# Altium PCB Dahlia Carrier Board.PcbDoc (part 9 of 10) (continued)
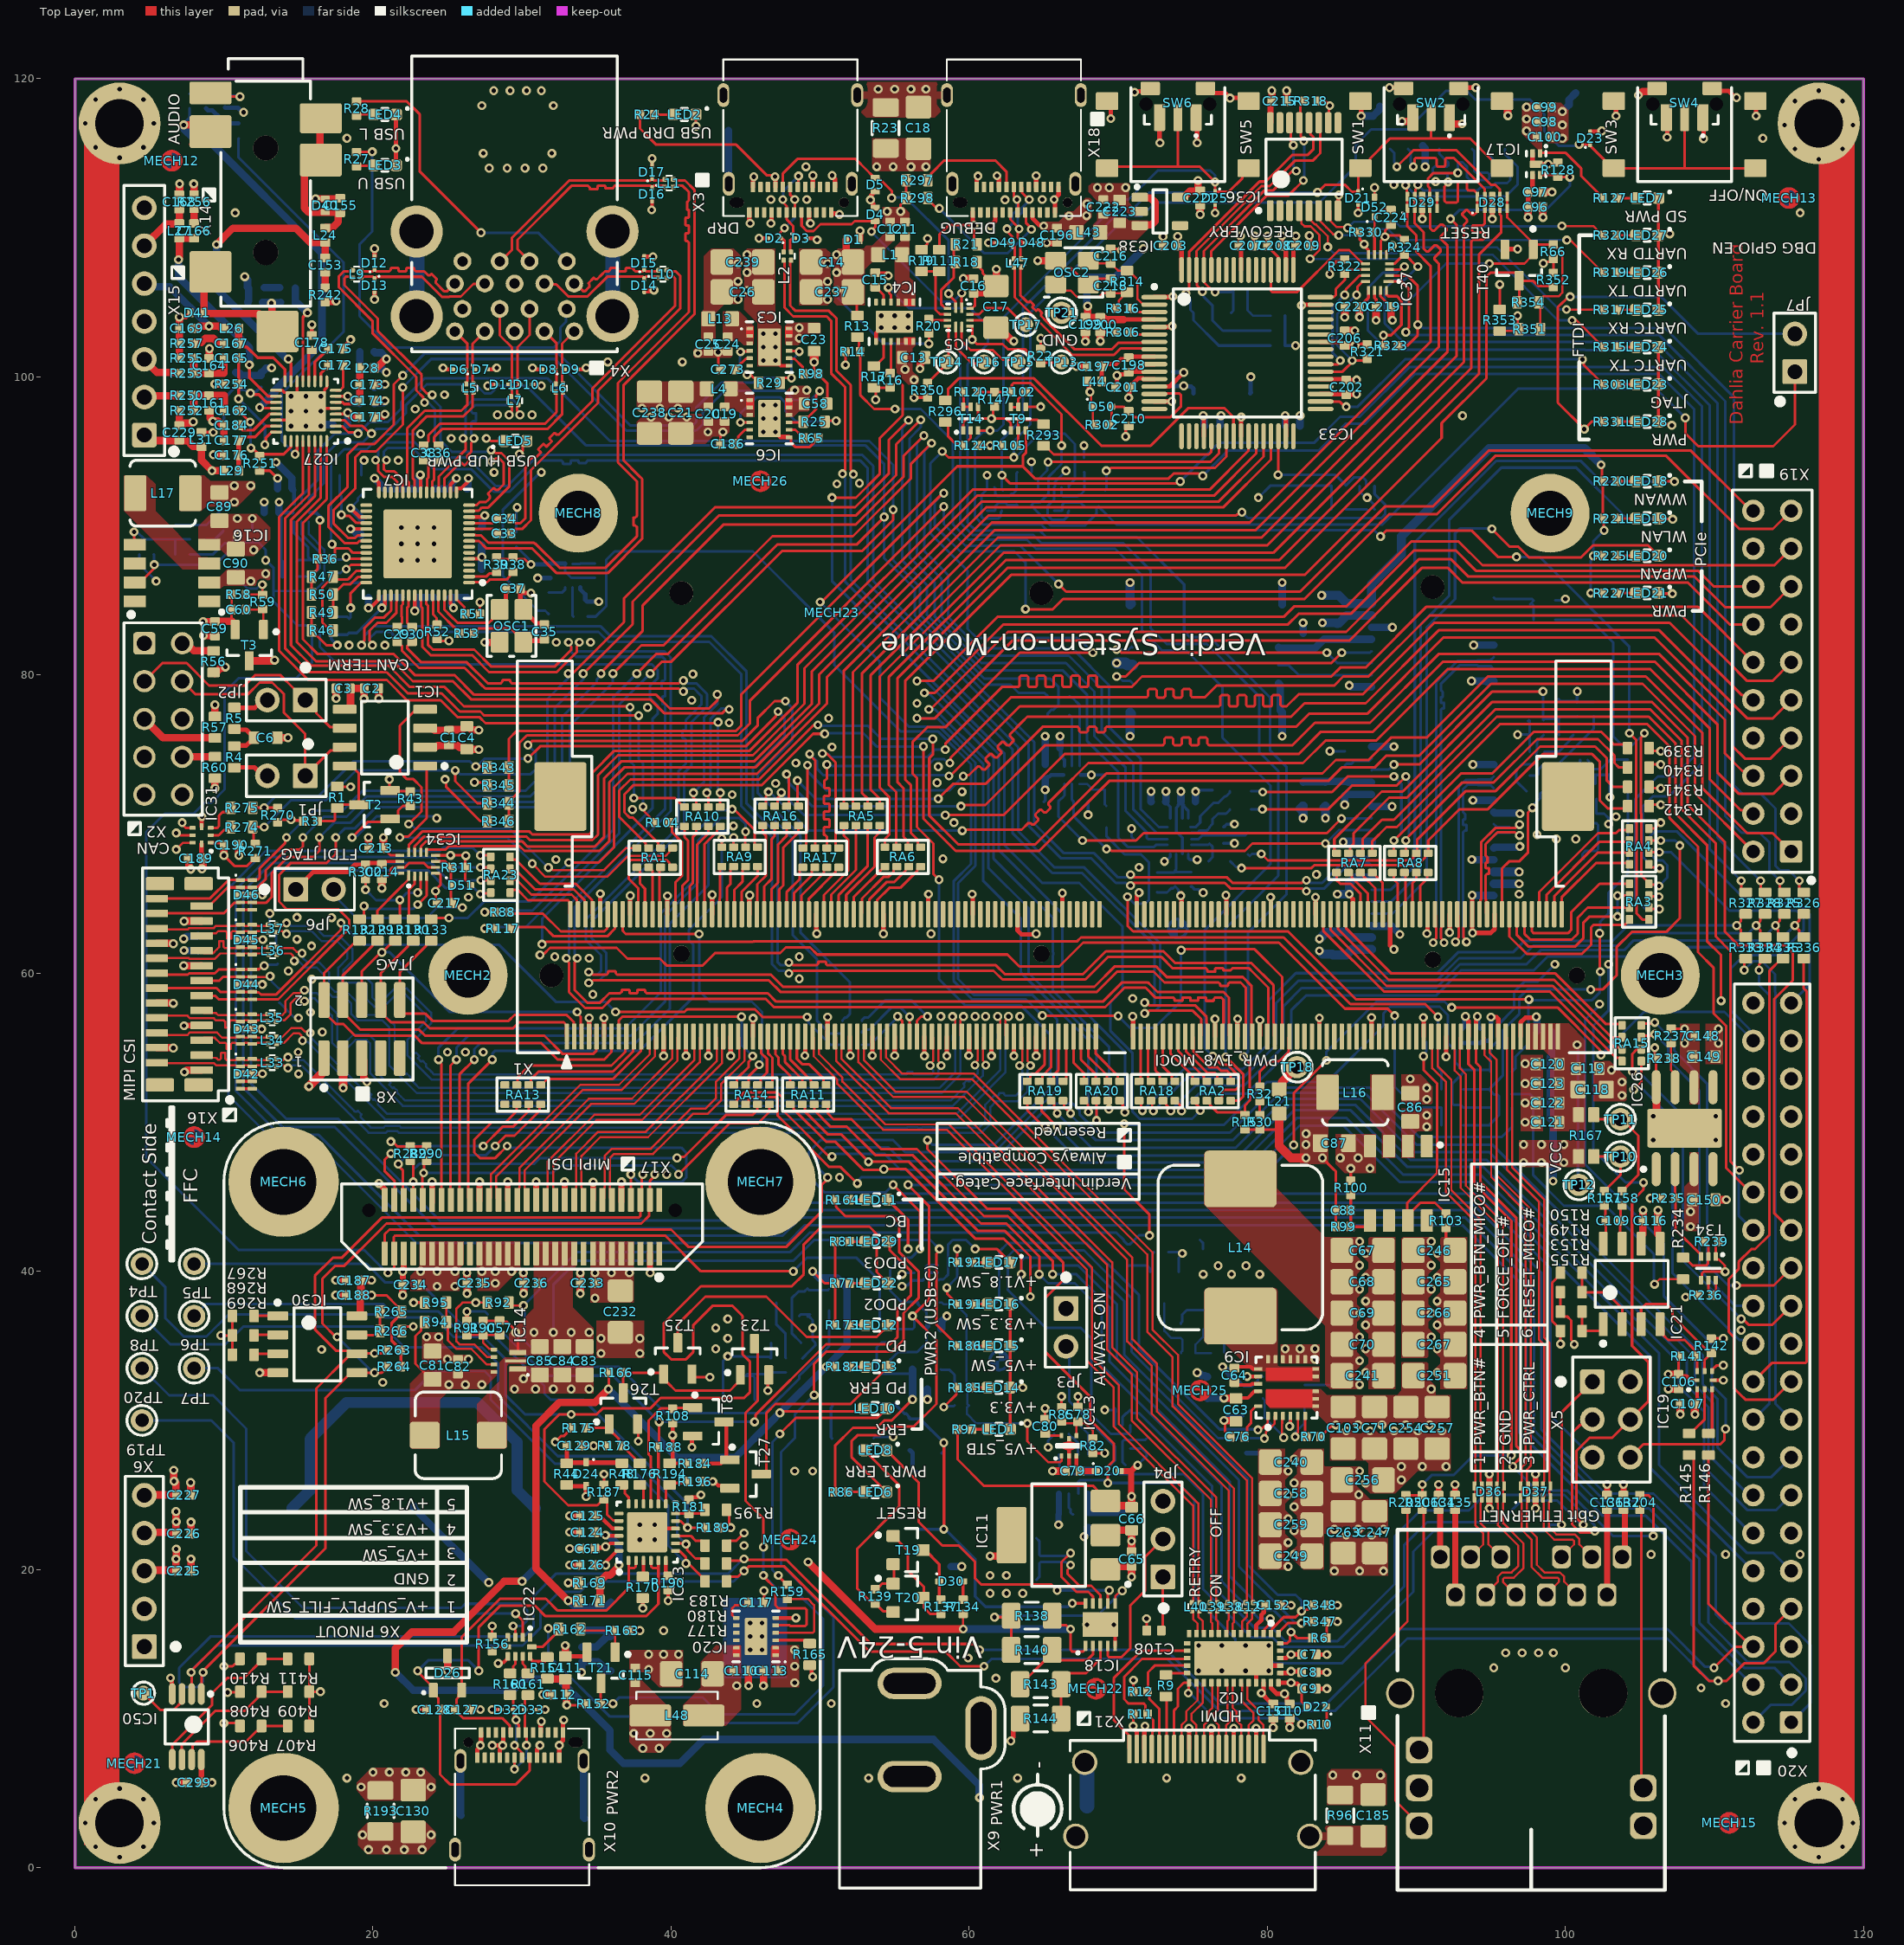
[diagram p0: Top Layer view]
## Nets (pads, with @x,y where several pads share a name; then routed paths per layer and width w, separated by ;. In a path a pad name is that pad's centre, name@x,y a point inside that pad or via, vN(x,y) a via of type N, cw(c..) or ccw(c..) an arc to the next point about the centre after c; other vN are vias at no path point) (continued)
  Bottom Layer w0.175: v2(62.539,109.93) 62.9,110.291 62.9,110.9 63.2,111.2 v2(63.2,111.9)
USB_DBG_N: IC33.7 L47.4 | length 13.3
  Top Layer w0.175: L47.4@63.5,107.475 63.437,107.413 63.437,107.29 63.428,107.28 63.428,105.489 63.683,105.233 63.891,105.026 64.036,105.026 64.075,105.065 64.102,105.065 64.34,104.826 64.34,104.8 64.242,104.701 64.242,104.675 64.48,104.436 64.507,104.436 64.609,104.538 64.635,104.538 64.874,104.3 64.874,104.273 64.831,104.23 64.831,104.085 65.158,103.758 67.077,101.839 69.567,101.839 70.011,102.282 71.599,102.282 71.666,102.35 IC33.7@72.425,102.35
USB_DBG_P: IC33.8 L47.3 | length 13.3
  Top Layer w0.175: L47.3@63,107.475 63.063,107.413 63.063,105.337 66.926,101.474 69.719,101.474 70.162,101.917 71.599,101.917 71.666,101.85 IC33.8@72.425,101.85
USBH1_PRT_DIS_M1: IC7.2 R39.1 | length 1.9
  Top Layer w0.175: IC7.2@26.45,86.6 27.6,86.6 27.8,86.8 28.28,86.8 R39.1@28.3,86.82
USBH1_PRT_DIS_P1: IC7.1 R38.1 | length 3.3
  Top Layer w0.175: IC7.1@26.45,86.2 26.745,86.2 26.783,86.237 27.665,86.237 27.825,86.397 28.952,86.397 29.178,86.623 29.178,86.723 29.275,86.82 R38.1@29.4,86.82
USBH2_D_CON_N: D16.1 L11.4 X4.L2 | length 14
  Top Layer w0.175: X4.L2@30.514,107.756 29.697,108.574 29.697,109.197 33.317,112.818 33.825,112.818 34.438,112.818 34.54,112.715 34.54,112.612 34.566,112.585 35.039,112.585 35.065,112.612 35.065,112.791 35.091,112.818 35.564,112.818 35.59,112.791 35.59,112.667 35.616,112.641 36.089,112.641 36.115,112.667 36.115,112.715 36.218,112.818 36.65,112.818 36.789,112.818 38.633,112.817 D16.1@38.725,112.725 ; D16.1@38.725,112.67 D16.1@38.725,112.725 ; L11.4@39.6,112.75 39.638,112.788 39.638,112.813 39.515,112.813 39.51,112.818 38.818,112.818 D16.1@38.725,112.725
USBH2_D_CON_P: D17.1 L11.3 X4.L3 | length 14.1
  Top Layer w0.175: X4.L3@28.5,107.756 28.556,107.756 29.332,108.532 29.332,109.348 33.166,113.183 36.65,113.183 37.154,113.183 38.633,113.182 D17.1@38.725,113.275 ; D17.1@38.725,113.33 D17.1@38.725,113.275 ; L11.3@39.6,113.25 39.6,113.225 39.638,113.187 39.515,113.187 39.51,113.183 38.818,113.183 D17.1@38.725,113.275
USBH2_D_N: IC7.9 L11.1 | length 41.1
  Top Layer w0.175: IC7.9@26.45,89.4 26.464,89.386 26.887,89.386 26.891,89.382 27.234,89.382 27.741,88.875 30.807,88.875 30.872,88.809 30.907,88.809 32.516,87.2 35.6,87.2 37.7,89.3 37.7,89.85 37.7,89.938 37.597,90.04 37.494,90.04 37.468,90.066 37.468,90.539 37.494,90.565 37.597,90.565 37.7,90.668 37.7,91.225 37.7,93 36.435,94.265 36.435,99.585 41.2,104.35 41.2,108.925 41.2,109.013 41.097,109.115 40.994,109.115 40.968,109.141 40.968,109.614 40.994,109.64 41.174,109.64 41.2,109.666 41.2,110.139 41.174,110.165 40.994,110.165 40.968,110.191 40.968,110.664 40.994,110.69 41.174,110.69 41.2,110.716 41.2,111.189 41.174,111.215 41.097,111.215 41.071,111.241 41.071,111.714 41.097,111.74 ; L11.1@40.15,112.75 40.212,112.813 40.335,112.813 40.34,112.818 40.782,112.818 41.2,112.4 41.2,112.088 41.2,111.843 41.097,111.74
USBH2_D_P: IC7.8 L11.2 | length 41.1
  Top Layer w0.175: IC7.8@26.45,89 26.462,88.987 27.113,88.987 27.59,88.51 30.656,88.51 32.331,86.835 35.751,86.835 38.065,89.149 38.065,89.85 38.065,91.225 38.065,93.151 37.851,93.365 36.8,94.416 36.8,99.434 41.565,104.199 41.565,112.551 40.934,113.183 40.34,113.183 40.335,113.187 40.212,113.187 L11.2@40.15,113.25
USBH2_OC#: IC3.4 R29.2 | length 3.5
  Top Layer w0.18: v1(44.657,101.675) 44.697,101.715 45.245,101.715 IC3.4@45.28,101.75 ; v1(45.1,100.15) 45.325,100.15 45.54,99.935 45.64,99.935 45.875,99.7 R29.2@45.875,99.6
  Bottom Layer w0.18: v1(44.657,101.675) 44.625,101.643 44.625,100.625 v1(45.1,100.15)
USBH2_PRT_CTL: IC3.9 IC7.35 R29.1 | length 50.2
  Top Layer w0.175: IC7.35@19.55,89 19.536,88.986 19.086,88.986 18.95,88.85 18.1,88.85 16.998,89.952 16.998,91.323 18.3,92.625 18.3,94.8 19,95.5 20.1,95.5 21.4,96.8 21.4,99.5 v1(22,100.1) ; R29.1@47.325,99.6 47.325,99.688 47.562,99.925 v1(48.075,99.925) ; IC3.9@47.92,101.75 48.65,101.75 v1(48.6,101.7)
  Bottom Layer w0.175: v1(22,100.1) 23.475,101.575 32.425,101.575 37.25,96.75 41.45,96.75 41.7,97 41.7,97.95 43.362,99.613 45.505,99.613 45.817,99.925 v1(48.075,99.925) 48.075,101.1 48.6,101.625 v1(48.6,101.7)
USBH2_SSRX_CON_N: D12.1 L9.4 X4.L5 | length 8.4
  Top Layer w0.175: L9.4@19.175,107.15 19.237,107.087 19.36,107.087 19.365,107.082 20.007,107.082 D12.1@20.1,107.175 ; D12.1@20.1,107.23 D12.1@20.1,107.175 ; 20.815,107.081 21,107.081 21.088,107.081 21.19,107.184 21.19,107.287 21.216,107.313 21.689,107.313 21.715,107.287 21.715,107.108 21.741,107.081 22.214,107.081 22.24,107.108 22.24,107.287 22.266,107.313 22.739,107.313 22.765,107.287 22.765,107.184 22.868,107.081 23.3,107.081 23.435,107.081 23.633,106.883 23.695,106.821 23.84,106.821 23.913,106.894 23.95,106.894 24.284,106.56 24.284,106.523 24.211,106.45 24.211,106.305 24.781,105.736 24.786,105.736 24.96,105.736 25.48,106.256 X4.L5@25.514,106.256 ; 20.9,107.082 20.488,107.082 20.193,107.082 D12.1@20.1,107.175
USBH2_SSRX_CON_P: D13.1 L9.3 X4.L6 | length 9.4
  Top Layer w0.175: L9.3@19.175,106.65 19.237,106.713 19.36,106.713 19.365,106.717 20.007,106.717 D13.1@20.1,106.625 ; D13.1@20.1,106.57 D13.1@20.1,106.625 ; X4.L6@27.514,106.256 27.5,106.242 26.742,106.242 25.9,105.4 25.14,105.4 25.111,105.371 24.629,105.371 23.284,106.716 20.24,106.716 20.186,106.662 20.137,106.662 D13.1@20.1,106.625
USBH2_SSRX_N: IC7.14 L9.1 | length 25.3
  Top Layer w0.175: L9.1@18.625,107.15 18.563,107.087 18.44,107.087 18.435,107.083 18.036,107.083 17.72,106.766 17.72,106.004 19.963,103.762 19.963,102.937 22.9,100 22.9,99.1 23.378,98.622 23.378,98.366 v2(23.46,98.285) ; IC7.14@26.45,91.4 26.462,91.388 26.944,91.388 27.156,91.6 27.584,91.6 27.733,91.749 27.795,91.811 ccw(c27.671,91.934) 27.795,92.058 27.757,92.096 cw(c27.818,92.157) 27.757,92.218 28.041,92.503 cw(c28.102,92.442) 28.163,92.503 28.201,92.465 ccw(c28.325,92.589) 28.449,92.465 28.656,92.673 28.775,92.791 28.775,94.225 28.475,94.525 28.237,94.525 28.045,94.333 v2(27.93,94.333)
  Bottom Layer w0.175: v2(23.46,98.285) 23.515,98.34 23.66,98.34 24.16,97.84 24.16,95.59 25.144,94.606 27.494,94.606 27.8,94.3 27.875,94.375 27.917,94.333 v2(27.93,94.333)
USBH2_SSRX_P: IC7.13 L9.2 | length 24.7
  Top Layer w0.175: L9.2@18.625,106.65 18.563,106.713 18.44,106.713 18.435,106.718 18.188,106.718 18.085,106.615 18.085,106.156 20.328,103.913 20.328,103.089 23.265,100.151 23.265,99.251 23.636,98.88 23.892,98.88 v2(23.974,98.799) ; IC7.13@26.45,91 26.464,91.014 26.887,91.014 26.896,91.023 27.095,91.023 27.307,91.235 27.735,91.235 29.14,92.64 29.14,93.14 29.14,94.376 28.626,94.89 28.237,94.89 28.045,95.083 v2(27.93,95.083)
  Bottom Layer w0.175: v2(23.974,98.799) 23.918,98.743 23.918,98.598 24.525,97.991 24.525,95.741 25.295,94.971 26.619,94.971 27.615,94.971 27.645,95.002 27.674,95.002 27.712,95.04 27.886,95.04 v2(27.93,95.083)
USBH2_SSTX_C_N: C34.2 IC7.11 | length 2
  Top Layer w0.175: IC7.11@26.45,90.2 26.464,90.186 26.887,90.186 26.891,90.182 28.032,90.182 28.31,90.46 C34.2@28.31,90.5
USBH2_SSTX_C_P: C33.2 IC7.10 | length 2
  Top Layer w0.175: IC7.10@26.45,89.8 26.464,89.814 26.887,89.814 26.891,89.817 28.033,89.817 28.31,89.54 C33.2@28.31,89.5
USBH2_SSTX_CON_N: D14.1 L10.4 X4.L8 | length 8.7
  Top Layer w0.175: X4.L8@31.514,106.256 31.561,106.209 32.291,106.209 33.106,105.394 34.394,105.394 35.718,106.718 38.107,106.718 D14.1@38.2,106.625 ; D14.1@38.2,106.57 D14.1@38.2,106.625 ; L10.4@39.175,106.65 39.113,106.713 38.99,106.713 38.985,106.718 38.588,106.718 38.293,106.718 D14.1@38.2,106.625
USBH2_SSTX_CON_P: D15.1 L10.3 X4.L9 | length 7.6
  Top Layer w0.175: X4.L9@33.514,106.256 33.594,106.256 34.091,105.759 34.242,105.759 34.467,105.983 34.529,106.045 34.529,106.19 34.456,106.263 34.456,106.3 34.79,106.634 34.827,106.634 34.9,106.561 35.045,106.561 35.342,106.858 35.566,107.083 35.725,107.083 35.813,107.083 35.915,107.185 35.915,107.288 35.941,107.315 36.414,107.315 36.44,107.288 36.44,107.109 36.466,107.083 36.939,107.083 36.965,107.109 36.965,107.288 36.991,107.315 37.464,107.315 37.49,107.288 37.49,107.185 37.593,107.083 37.9,107.083 38.108,107.083 D15.1@38.2,107.175 ; D15.1@38.2,107.23 D15.1@38.2,107.175 ; L10.3@39.175,107.15 39.113,107.087 38.99,107.087 38.985,107.083 38.739,107.083 38.292,107.083 D15.1@38.2,107.175
USBH2_SSTX_N: C34.1 L10.1 | length 23.3
  Top Layer w0.175: C34.1@29.29,90.5 29.29,90.46 29.567,90.182 29.886,90.182 30.235,90.532 30.235,93.901 30.242,93.908 30.458,94.124 30.458,94.269 30.423,94.303 30.423,94.34 30.757,94.675 30.794,94.675 30.883,94.586 30.92,94.586 31.254,94.92 31.254,94.957 31.092,95.12 31.092,95.157 31.426,95.491 31.463,95.491 31.625,95.329 31.662,95.329 31.997,95.663 31.997,95.7 31.834,95.862 31.834,95.899 32.168,96.233 32.205,96.233 32.314,96.125 32.459,96.125 32.892,96.558 34.735,98.401 34.735,99.235 40.265,104.765 40.265,106.615 40.162,106.718 39.915,106.718 39.91,106.713 39.787,106.713 L10.1@39.725,106.65
USBH2_SSTX_P: C33.1 L10.2 | length 23.3
  Top Layer w0.175: C33.1@29.29,89.5 29.29,89.54 29.567,89.817 30.037,89.817 30.6,90.38 30.6,93.75 33.15,96.3 35.1,98.25 35.1,99.084 40.63,104.614 40.63,106.766 40.314,107.083 39.915,107.083 39.91,107.087 39.787,107.087 L10.2@39.725,107.15
USBH3_D_CON_N: D10.1 L7.3 X4.U2 | length 6.4
  Top Layer w0.175: L7.3@29.75,98.675 29.687,98.737 29.687,98.86 29.682,98.865 29.682,99.36 D10.1@29.785,99.463 ; D10.1@29.88,99.5 29.825,99.5 29.697,99.628 29.697,101.997 30.514,102.814 X4.U2@30.514,104.556
USBH3_D_CON_P: D11.1 L7.4 X4.U3 | length 6.4
  Top Layer w0.175: X4.U3@28.514,104.556 28.514,102.786 29.332,101.968 29.332,99.7 29.317,99.686 29.317,99.64 29.215,99.538 29.157,99.538 D11.1@29.12,99.5 ; D11.1@29.215,99.463 29.317,99.36 29.317,98.865 29.313,98.86 29.313,98.737 L7.4@29.25,98.675
USBH3_D_N: IC7.18 L7.2 | length 12
  Top Layer w0.175: IC7.18@24.4,92.25 24.414,92.264 24.414,92.687 24.417,92.691 24.417,93.318 25.137,94.038 26.229,95.129 26.229,95.579 26.048,95.76 v2(26.048,95.875) ; L7.2@29.75,98.125 29.687,98.063 29.687,97.992 29.682,97.988 29.682,97.688 29.863,97.507 v2(29.863,97.45)
  Bottom Layer w0.175: v2(26.048,95.875) 26.048,95.99 26.229,96.171 26.229,97.995 26.711,98.477 28.503,98.477 28.505,98.48 29.366,98.48 29.683,98.164 29.683,97.746 29.863,97.565 v2(29.863,97.45)
USBH3_D_P: IC7.17 L7.1 | length 11.8
  Top Layer w0.175: IC7.17@24.8,92.25 24.786,92.264 24.786,92.687 24.782,92.691 24.782,93.166 25.396,93.779 25.829,94.213 25.974,94.213 26.117,94.069 26.155,94.069 26.489,94.403 26.489,94.44 26.345,94.584 26.345,94.729 26.433,94.817 26.594,94.978 26.594,95.579 26.775,95.76 v2(26.775,95.875) ; v2(29.137,97.45) 29.137,97.507 29.317,97.688 29.317,97.988 29.313,97.992 29.313,98.063 L7.1@29.25,98.125
  Bottom Layer w0.175: v2(26.775,95.875) 26.775,95.99 26.594,96.171 26.594,96.325 26.594,96.938 26.697,97.04 26.9,97.04 26.926,97.066 26.926,97.539 26.9,97.565 26.697,97.565 26.594,97.668 26.594,97.844 26.65,97.9 26.862,98.112 28.654,98.112 28.656,98.115 29.215,98.115 29.318,98.013 29.318,97.746 29.137,97.565 v2(29.137,97.45)
USBH3_OC#: IC6.4 R25.2 | length 9.9
  Top Layer w0.175: v1(44.65,96.95) IC6.4@45.28,96.95 ; R25.2@50.325,97 50.376,97.052 v1(51.073,97.052)
  Bottom Layer w0.175: v1(44.65,96.95) 44.65,97.55 45.737,98.638 47.312,98.638 47.675,98.275 47.675,97.7 48.375,97 51.022,97 v1(51.073,97.052)
USBH3_PRT_CTL: IC6.9 IC7.34 R25.1 | length 50.6
  Top Layer w0.175: IC7.34@19.514,89.386 19.208,89.386 19.197,89.375 18.975,89.375 18.806,89.206 18.319,89.206 17.35,90.175 17.35,91.05 18.8,92.5 18.8,94.6 19.2,95 20.2,95 22,96.8 v1(22,99.3) ; IC6.9@47.92,96.95 48.825,96.95 R25.1@48.875,97 48.875,97.1 49.112,97.338 49.237,97.338 49.437,97.538 49.725,97.825 49.725,98.743 49.96,98.979 v1(49.96,99.058)
  Bottom Layer w0.175: v1(22,99.3) 23.9,101.2 32.2,101.2 37,96.4 41.675,96.4 42.125,96.85 42.125,97.6 43.583,99.058 47.617,99.058 48.225,98.45 49.352,98.45 v1(49.96,99.058)
USBH3_SSRX_CON_N: D6.1 L5.4 X4.U5 | length 4
  Top Layer w0.175: X4.U5@25.514,103.056 26.325,102.245 26.325,101.605 26.325,100.6 D6.1@26.225,100.5 ; D6.1@26.17,100.5 D6.1@26.225,100.5 ; L5.4@26.25,99.525 26.313,99.587 26.313,99.71 26.318,99.715 26.318,100.112 26.318,100.407 D6.1@26.225,100.5
USBH3_SSRX_CON_P: D7.1 L5.3 X4.U6 | length 4
  Top Layer w0.175: L5.3@26.75,99.525 26.687,99.587 26.687,99.71 26.683,99.715 26.683,99.961 26.683,100.408 D7.1@26.775,100.5 ; D7.1@26.83,100.5 D7.1@26.775,100.5 ; X4.U6@27.514,103.056 26.69,102.232 26.69,101.454 26.69,100.585 D7.1@26.775,100.5
USBH3_SSRX_N: IC7.23 L5.1 | length 9.9
  Top Layer w0.175: IC7.23@22.4,92.25 22.414,92.264 22.414,92.687 22.417,92.691 22.417,92.939 22.295,93.061 22.295,96.547 23.474,97.725 25.925,97.725 26.318,98.118 26.318,98.785 26.313,98.79 26.313,98.913 L5.1@26.25,98.975
USBH3_SSRX_P: IC7.22 L5.2 | length 9.9
  Top Layer w0.175: IC7.22@22.8,92.25 22.786,92.264 22.786,92.687 22.782,92.691 22.782,93.09 22.66,93.212 22.66,96.396 23.625,97.36 26.076,97.36 26.683,97.966 26.683,98.785 26.687,98.79 26.687,98.913 L5.2@26.75,98.975
USBH3_SSTX_C_N: C38.2 IC7.20 | length 2.4
  Top Layer w0.175: C38.2@23.4,94.41 23.44,94.41 23.718,94.133 23.718,93.24 23.617,93.14 23.617,92.596 23.614,92.592 23.614,92.264 IC7.20@23.6,92.25
USBH3_SSTX_C_P: C36.2 IC7.19 | length 2.4
  Top Layer w0.175: IC7.19@24,92.25 23.986,92.264 23.986,92.592 23.982,92.596 23.982,92.989 24.083,93.089 24.083,94.133 24.36,94.41 C36.2@24.4,94.41
USBH3_SSTX_CON_N: D8.1 L6.4 X4.U8 | length 4
  Top Layer w0.175: X4.U8@31.514,103.056 32.325,102.245 32.325,101.605 32.325,100.6 D8.1@32.225,100.5 ; D8.1@32.17,100.5 D8.1@32.225,100.5 ; L6.4@32.25,99.525 32.313,99.587 32.313,99.71 32.318,99.715 32.318,100.407 D8.1@32.225,100.5
USBH3_SSTX_CON_P: D9.1 L6.3 X4.U9 | length 4
  Top Layer w0.175: L6.3@32.75,99.525 32.687,99.587 32.687,99.71 32.683,99.715 32.683,100.407 D9.1@32.775,100.5 ; D9.1@32.83,100.5 D9.1@32.775,100.5 ; X4.U9@33.514,103.056 32.69,102.232 32.69,101.454 32.69,100.585 D9.1@32.775,100.5
USBH3_SSTX_N: C38.1 L6.1 | length 11.5
  Top Layer w0.175: C38.1@23.4,95.39 23.44,95.39 23.718,95.667 23.718,96.094 24.489,96.865 31.549,96.865 32.315,97.631 32.315,98.785 32.313,98.788 32.313,98.913 L6.1@32.25,98.975
USBH3_SSTX_P: C36.1 L6.2 | length 11.5
  Top Layer w0.175: C36.1@24.4,95.39 24.36,95.39 24.083,95.667 24.083,95.943 24.64,96.5 31.7,96.5 32.68,97.48 32.68,97.613 32.687,97.621 32.687,98.913 L6.2@32.75,98.975
USBH4_D_N: IC7.25 X13.36 | length 93.6
  Top Layer w0.175: v2(20.173,94.425) 20.173,94.31 20.354,94.129 20.354,93.674 20.728,93.3 21.284,93.3 21.616,92.968 21.616,92.597 21.614,92.596 21.614,92.264 IC7.25@21.6,92.25 ; v2(70.825,66.606) 70.825,66.575 70.975,66.425 77.301,66.425 77.676,66.05 82.329,66.05 82.51,66.231 v2(82.625,66.231)
  Bottom Layer w0.175: v2(20.173,94.425) 20.173,94.54 20.354,94.721 20.354,95.123 20.831,95.6 22.816,95.6 24.251,94.165 26.751,94.165 28.241,92.675 29.025,92.675 31.115,94.765 35.225,94.765 52.826,94.765 53.565,94.026 53.565,86.301 64.365,75.501 64.365,70.026 66.326,68.065 68.351,68.065 69.991,66.425 70.529,66.425 70.71,66.606 v2(70.825,66.606) ; v2(82.625,66.231) 82.625,66.175 82.75,66.05 83.684,66.05 85.416,67.782 85.985,67.782 85.99,67.788 86.788,67.788 X13.36@87,68
USBH4_D_P: IC7.24 X13.38 | length 93.6
  Top Layer w0.175: v2(20.9,94.425) 20.9,94.31 20.719,94.129 20.719,93.825 20.879,93.665 21.435,93.665 21.981,93.119 21.981,92.597 21.986,92.592 21.986,92.264 IC7.24@22,92.25 ; v2(70.825,65.879) 70.825,65.91 70.975,66.06 77.15,66.06 77.525,65.685 82.329,65.685 82.51,65.504 v2(82.625,65.504)
  Bottom Layer w0.175: v2(20.9,94.425) 20.9,94.54 20.719,94.721 20.719,94.972 20.982,95.235 22.665,95.235 24.1,93.8 26.6,93.8 28.09,92.31 29.176,92.31 31.266,94.4 32.025,94.4 32.638,94.4 32.74,94.297 32.74,94.194 32.766,94.168 33.239,94.168 33.265,94.194 33.265,94.374 33.291,94.4 33.764,94.4 33.79,94.374 33.79,94.25 33.816,94.224 34.289,94.224 34.315,94.25 34.315,94.297 34.418,94.4 35.225,94.4 52.675,94.4 53.2,93.875 53.2,86.15 64,75.35 64,69.875 66.175,67.7 68.2,67.7 69.84,66.06 70.529,66.06 70.71,65.879 v2(70.825,65.879) ; v2(82.625,65.504) 82.625,65.56 82.75,65.685 83.835,65.685 85.567,67.417 85.985,67.417 85.99,67.412 86.788,67.412 X13.38@87,67.2
USBH4_PRT_CTL: IC7.32 R54.1 R55.1 | length 4.6
  Top Layer w0.175: v1(17.875,90.75) 17.956,90.669 18.421,90.669 18.89,90.2 IC7.32@19.55,90.2
  Bottom Layer w0.175: R55.1@17.775,93.4 R54.1@17.775,92.1 17.875,92 v1(17.875,90.75)
USBH_CFG_BC_EN: IC7.40 R46.2 R47.2 | length 7
  Top Layer w0.175: R46.2@17.325,83 17.225,83 17.175,82.95 17.087,83.037 16.6,83.525 16.6,85.875 16.987,86.263 17.087,86.263 17.325,86.5 R47.2@17.325,86.6 17.375,86.55 17.525,86.4 18.3,86.4 18.875,86.975 19.197,86.975 19.208,86.986 19.514,86.986 19.529,87 IC7.40@19.55,87
USBH_CFG_NON_REM: IC7.41 R49.2 R50.2 | length 3.9
  Top Layer w0.175: R49.2@17.325,84.2 R50.2@17.325,85.4 18.008,86.083 18.483,86.083 18.975,86.575 19.197,86.575 19.208,86.586 19.536,86.586 IC7.41@19.55,86.6
USBH_RBIAS: IC7.56 R51.2 | length 1.5
  Top Layer w0.175: IC7.56@25.6,85.35 25.6,85.095 25.635,85.061 25.639,85.061 26.13,84.57 26.13,84.19 R51.2@26.22,84.1
USBH_RESET#: C28.2 D18.A D19.A IC7.42 R37.1 | length 6.4
  Top Layer w0.175: v1(18.5,84.5) 18.5,85.5 19.186,86.186 19.536,86.186 IC7.42@19.55,86.2
  Bottom Layer w0.175: D19.A@15.9,83.96 17.16,83.96 17.212,83.908 17.308,83.908 17.315,83.9 18.28,83.9 R37.1@18.4,83.78 18.5,83.88 C28.2@18.5,85.21
USBH_TEST: IC7.52 R52.2 | length 2.1
  Top Layer w0.175: IC7.52@24,85.35 24,85.055 24.037,85.017 24.037,84.063 24.275,83.825 24.275,83.405 R52.2@24.3,83.38
USBH_VBUS_DET: IC7.37 R34.2 R36.1 | length 38
  Top Layer w0.175: v1(17.25,88.775) 17.527,88.498 18.357,88.498 18.655,88.2 IC7.37@19.55,88.2 ; R36.1@17.28,87.8 17.458,87.978 17.458,88.542
  Layer 1 w0.175: v1(23.2,96.175) 24.79,96.175 25.115,96.5 29.5,96.5 31.3,94.7 v1(31.3,93.6)
  Bottom Layer w0.175: v1(17.25,88.775) 17.175,88.85 17.175,94.25 18.075,95.15 19.6,95.15 20.135,95.686 20.286,95.686 20.775,96.175 v1(23.2,96.175) ; v1(31.3,93.6) 31.225,93.6 28.7,91.075 28.7,86.672 31.06,84.313 31.562,84.313 R34.2@31.8,84.075
V_SUPPLY_SW_EN: R89.2 R125.2 T16.1 | length 6.1
  Bottom Layer w0.18: R125.2@48.72,35.2 48.72,35.225 48.1,35.845 48.1,38.2 48.54,38.64 48.94,38.64 T16.1@49.15,38.85 49.275,38.725 50.5,38.725 R89.2@50.6,38.825
VBUS_EN_SNK: R166.1 T23.1 T25.1 T26.3 | length 10.6
  Top Layer w0.175: T26.3@36.8,31.85 36.78,31.87 R166.1@36.78,33.2 39.4,33.2 T25.1@39.5,33.1 39.5,32.75 39.712,32.538 39.762,32.538 40.3,32 43.95,32 44.437,32.487 44.65,32.7 T23.1@44.65,33.05
VCC: C118.2 C119.2 C120.2 C121.2 C122.2 C123.2 R167.4 TP12.1 X1.251 X1.253 X1.255 X1.257 X1.259 | length 9.4
  Bottom Layer w0.2: v1(100.787,55.2) 100.844,55.144 100.844,45.856 TP12.1@100.9,45.8
VCC_BACKUP: R179.1 X1.249 | length 3.2
  Top Layer w0.3: X1.249@97,55.75 97,56.7 97.312,57.012 97.993,57.012 v1(98.05,57.069)
  Bottom Layer w0.3: v1(98.05,57.069) v1@98.055,57.075 ; R179.1@98.12,56.1 R179.1@98.125,56.095
  Bottom Layer w0.5: v1(98.05,57.069) 98.05,57.042 98.085,57.007 98.085,56.135 R179.1@98.12,56.1
pads on no net: IC2.12 IC2.13 IC2.34 IC3.6 IC4.6 IC6.6 IC7.3 IC7.4 IC7.6 IC7.7 IC7.26 IC7.27 IC7.29 IC7.30 IC7.36 IC14. IC15.1 IC15.6 IC15.8 IC16.1 IC16.6 IC16.8 IC20.8 IC20.9 IC20.10 IC22.1 IC22.4 IC23.17 IC23.19 IC26.1 IC26.4 IC26.5 IC27.1 IC27.25 IC33.16 IC33.17 IC33.18 IC33.19 IC33.32 IC33.33 IC33.36 IC33.40 IC33.41 IC33.43 IC33.44 IC33.45 IC33.46 IC33.53 IC33.54 IC33.55 IC33.57 IC33.58 IC33.59 IC35.6 IC35.7 IC36.1 IC36.2 IC36.3 IC36.9 IC36.15 IC38.4 MECH4. MECH5. MECH6. MECH7. MECH12. MECH13. MECH14. MECH15. MECH16. MECH17. MECH18. MECH19. MECH20. MECH21. MECH22. MECH24. MECH25. MECH26. MECH27. MECH28. RA13.4 RA13.8 RA22.1 RA22.5 SW2. SW4. SW6. T29.6 T33.6 X1. X1.88 X1.90 X1.92 X1.94 X1.96 X1.100 X1.102 X1.104 X1.106 X1.108 X1.112 X1.114 X1.116 X1.118 X1.120 X1.124 X1.126 X1.128 X1.130 X1.132 X1.136 X1.138 X1.140 X1.142 X1.144 X1.148 X1.150 X1.152 X1.154 X1.156 X1.160 X1.162 X1.164 X1.166 X1.168 X1.172 X1.174 X1.176 X1.178 X1.180 X1.184 X1.186 X1.188 X1.189 X1.190 X1.191 X1.192 X1.193 X1.197 X1.199 X1.201 X1.203 X1.205 X1.207 X1.211 X1.213 X1.215 X1.217 X1.219 X1.221 X2.1 X2.6 X2.7 X2.9 X2.10 X3.A2 X3.A3 X3.A8 X3.A10 X3.A11 X3.B2 X3.B3 X3.B8 X3.B10 X3.B11 X3.None X8.7 X8.9 X9.3 X10.A2 X10.A3 X10.A8 X10.A10 X10.A11 X10.B2 X10.B3 X10.B8 X10.B10 X10.B11 X10.None X11.X X12.0 X13. X13.3 X13.5 X13.7 X13.17 X13.19 X13.45 X13.47 X13.49 X13.51 X13.x X14.X X16. X17. X17.1 X17.2 X17.5 X17.17 X17.29 X17.41 X17.53 X18.A2 X18.A3 X18.A8 X18.A10 X18.A11 X18.B2 X18.B3 X18.B8 X18.B10 X18.B11 X18.None

## Polygon pours and split planes (outlines as drawn)
GND on Top Layer "GND_L01_P997" (solid, remove dead copper, pour order 997): 53.5,116 57.4,116 57.4,114 57.2,113.8 53.7,113.8 53.5,114
GND_CHASSIS on Top Layer "GND_CHASSIS_L01_P996" (solid, remove dead copper, pour order 996): 52.1,119.5 52.4,119.8 58.6,119.8 58.9,119.5 58.9,118.4 58.7,118.4 57.7,117.4 53.1,117.4 52.1,118.4
+V3.3_SD on Top Layer "+V3.3_SD_L01_P824" (solid, pour order 824): 98.45,114.725 98.45,115.65 98.45,118.4 97.3,118.4 97.1,118.2 97.1,116.3 97.6,115.8 98.15,115.25 98.15,114.725
NetIC16_3 on Top Layer "NETIC16_3_L01_P873" (solid, pour order 873): 3.3,93.4 3.3,91 4.3,90 7.2,87.1 8.9,87.1 8.9,87.9 8.5,87.9 5.4,91 5.4,92.8 4.8,93.4
+V5_DBG on Top Layer "+V5_DBG_L01_P927" (solid, remove dead copper, pour order 927): 68.3,110.2 68.6,110.5 68.6,111.2 69.4,111.2 69.9,110.7 70.5,110.7 70.7,110.5 72,110.5 72,109.9 71.3,109.2 68.3,109.2
GND on Top Layer "GND_L01_P944" (solid, pour order 944): 54.2,110.1 54.2,111.4 55.6,111.4 56,111 56,110.1
+V1.8_SW on Top Layer "+V1.8_SW_L01_P853" (solid, pour order 853): 22.9,38.7 22.5,38.7 22.5,39.7 23.133,40.333 23.133,42 26.073,42 26.073,40.473 25.8,40.2 25.8,38.7
VCC on Top Layer "VCC_L01_P585" (solid, remove dead copper, pour order 585): 100.475,56.625 101.35,55.75 101.35,49.4 99,49.4 99,54.4 98.525,54.875 97.35,54.875 97.35,56.625
NetC11_2 on Top Layer "NETC11_2_L01_P891" (solid, pour order 891): 55.125,104.75 56.4,104.75 56.4,106.3 56,106.7 56,109.7 55.4,109.7 55.4,109.1 55,108.7 55,106.5 55.125,106.375
+V5_SW on Top Layer "+V5_SW_L01_P883" (solid, pour order 883): 47.65,102.125 48.525,102.125 49.325,102.925 50.025,102.925 50.025,103.625 47.825,103.625 47.65,103.45
+V_SUPPLY_FILT on Top Layer "+V_SUPPLY_FILT_L01_P907" (solid, pour order 907): 45 vertices, not listed, extent 81.6,20 88.1,28.1
+V_BUS_PD on Top Layer "+V_BUS_PD_L01_P844" (solid, pour order 844): 44.7,14.9 44.7,10.6 43.692,9.5 40.8,9.5 40.8,10.9 42,12.1 42,13.8 43,14.9
GND on Top Layer "GND_L01_P993" (solid, remove dead copper, pour order 993): 88,4.2 88,6.3 87.7,6.6 84.3,6.6 84,6.3 84,4.2
GND_CHASSIS on Top Layer "GND_CHASSIS_L01_P991" (solid, remove dead copper, pour order 991): 88,2.8 88,1.1 87.7,0.8 83,0.8 82.2,1.6 82.2,2.4 82.6,2.8
+V5_SW on Top Layer "+V5_SW_L01_P945" (solid, pour order 945): 56.4,102.6 56.4,102.1 56.2,101.9 56.2,100.4 56.6,100 56.6,99.6 56.5,99.5 55.9,99.5 55.1,100.3 55.1,102.1 55.1,102.6
GND on Top Layer "GND_L01_P950" (solid, pour order 950): 98.8,118.4 99.7,118.4 100.2,117.9 100.2,115.9 100,115.7 98.8,115.7
GND on Top Layer "GND_L01_P887" (solid, pour order 887): 37.7,97 38.2,97.5 42,97.5 42.2,97.3 43.9,97.3 43.9,96.3 43.6,96 42.8,96 42.3,95.5 37.7,95.5
GND on Top Layer "GND_L01_P898" (solid, pour order 898): 29 vertices, not listed, extent 86.4,32.1 88.6,42.3
GND on Top Layer "GND_L01_P828" (solid, pour order 828): 110.6,53.9 109.4,53.9 109.4,56.6 110.6,56.6
NetIC14_2 on Top Layer "NETIC14_2_L01_P851" (solid, pour order 851): 28.795,28.1 ccw(c28.795,28.28) 28.975,28.28 28.975,33.65 29.1,33.775 30.3,33.775 30.3,34.225 28.825,34.225 28.5,33.9 28.5,32.65 26.975,31.125 26.975,28.28 ccw(c27.155,28.28) 27.155,28.1
GND on Top Layer "GND_L01_P874" (solid, pour order 874): 8.3,88.4 9.8,88.4 10.2,88 12,88 13.1,89.1 13.1,89.9 12.2,90.8 9.1,90.8 8.3,90
+V3.3 on Top Layer "+V3.3_L01_P875" (solid, pour order 875): 8.3,86.6 9.7,86.6 10.2,87.1 13.1,87.1 13.1,86.3 12.8,86 10,86 9.8,85.8 8.3,85.8
GND_CHASSIS on Top Layer "GND_CHASSIS_L01_P952" (solid, pour order 952): 19.6,3 19,2.4 19,1.5 19.6,0.9 23.4,0.9 24.2,1.7 24.2,2.4 23.6,3
GND on Top Layer "GND_L01_P948" (solid, pour order 948): 24.2,5.1 24.2,5.9 23.4,6.7 19.9,6.7 18.9,5.7 18.9,5.2 19.5,4.5 23.6,4.5
+V5_VBUS_USB_1 on Top Layer "+V5_VBUS_USB_1_L01_P892" (solid, pour order 892): 17 vertices, not listed, extent 50.9,104.8 55,109.7
GND on Top Layer "GND_L01_P929" (solid, remove dead copper, pour order 929): 18 vertices, not listed, extent 68,110.8 71.3,113
NetC196_2 on Top Layer "NETC196_2_L01_P926" (solid, remove dead copper, pour order 926): 22 vertices, not listed, extent 64.8,109.2 68.2,112
+V3.3 on Top Layer "+V3.3_L01_P829" (solid, pour order 829): 89,47.6 89,50.9 91.1,50.9 91.1,49.4 90.1,49.4 89.9,49.2 89.9,47.6
GND on Top Layer "GND_L01_P830" (solid, pour order 830): 89,51.2 89,53.2 90.3,53.2 91.1,52.4 91.1,51.2
NetIC15_3 on Top Layer "NETIC15_3_L01_P831" (solid, pour order 831): 88.6,47.6 88.6,53.2 86.9,53.2 86.9,50.1 87.7,49.3 87.7,47.6
+V1.8_SW on Top Layer "+V1.8_SW_L01_P832" (solid, pour order 832): 84.8,50.8 84.1,50.1 84.1,47.2 82.2,47.2 82.2,52.1 83.3,53.2 84.8,53.2
GND on Top Layer "GND_L01_P833" (solid, pour order 833): 84.6,47.2 85.2,46.6 87.3,46.6 87.3,49.2 84.6,49.2
+V3.3 on Top Layer "+V3.3_L01_P896" (solid, pour order 896): 40 vertices, not listed, extent 75.77,32.1 86.5,48.1
GND on Top Layer "GND_L01_P911" (solid, pour order 911): 32 vertices, not listed, extent 84.2,25.1 92.3,29.5
GND on Top Layer "GND_L01_P918" (solid, pour order 918): 83.5,33.8 83.5,35.1 80.9,35.1 80.9,33.8
GND on Top Layer "GND_L01_P912" (solid, pour order 912): 84.2,22.1 84.7,22.1 85.1,22.5 85.5,22.5 85.9,22.1 86.4,22.1 86.8,22.5 87.2,22.5 87.6,22.1 88.1,22.1 88.1,19.6 84.2,19.6
GND on Top Layer "GND_L01_P909" (solid, pour order 909): 23 vertices, not listed, extent 79.4,20 81.6,28.1
+V_SUPPLY_FILT on Top Layer "+V_SUPPLY_FILT_L01_P906" (solid, pour order 906): 37 vertices, not listed, extent 79.9,29.5 92.3,33.9
DCDC1_LX on Top Layer "DCDC1_LX_L01_P901" (solid, pour order 901): 80.4,38.9 cw(c80.4,38.6) 80.7,38.6 80.7,33.7 80.8,33.6 83.5,33.6 83.5,32.6 79.9,32.6 79.9,33.3 79,33.3 77.2,35.1 76.055,35.1 cw(c76.055,35.385) 75.77,35.385 75.77,38.615 cw(c76.055,38.615) 76.055,38.9
+V3.3 on Top Layer "+V3.3_L01_P900" (solid, pour order 900): 26 vertices, not listed, extent 89,34.2 91.3,42.3
GND on Top Layer "GND_L01_P899" (solid, pour order 899): 29 vertices, not listed, extent 91.2,32.1 93.4,42.3
GND on Top Layer "GND_L01_P893" (solid, pour order 893): 48.6,108.6 50.4,108.6 50.7,108.3 50.7,105 50.5,104.8 48.6,104.8
GND on Top Layer "GND_L01_P890" (solid, pour order 890): 47,108.6 47,103.8 47.4,103.4 47.4,100.7 45.8,100.7 45.8,103.6 44.9,104.5 44.9,108.4 45.1,108.6
GND on Top Layer "GND_L01_P888" (solid, pour order 888): 44.1,102 44.1,101.4 44,101.3 41.6,101.3 41.5,101.4 41.5,101.8 41.7,102
+V5_SW on Top Layer "+V5_SW_L01_P882" (solid, pour order 882): 47.7,97.3 48.2,97.3 48.6,97.7 49.2,97.7 49.3,97.8 49.3,98.9 49.4,99 49.4,99.2 49.2,99.4 48.1,99.4 47.7,99
NetC24_2 on Top Layer "NETC24_2_L01_P885" (solid, pour order 885): 45.55,102.125 44.875,102.125 44.6,102.4 43.475,102.4 43.475,104.4 44.6,104.4 45.55,103.45
+V5_VBUS_USBH2 on Top Layer "+V5_VBUS_USBH2_L01_P886" (solid, pour order 886): 42.975,102.4 42.975,104.275 43.6,104.9 44.5,104.9 44.7,105.1 44.7,108.1 44.2,108.6 42.7,108.6 42.2,108.1 42.2,104.525 42.025,104.35 42.025,102.4
NetC19_2 on Top Layer "NETC19_2_L01_P880" (solid, pour order 880): 45.6,97.3 44.9,97.3 44.5,97.7 43.6,97.7 43.6,99.7 44.8,99.7 45.6,98.9
+V5_VBUS_USBH3 on Top Layer "+V5_VBUS_USBH3_L01_P877" (solid, pour order 877): 42.8,97.7 42.8,99.7 37.7,99.7 37.7,97.8 37.8,97.7
+V1.2_USB on Top Layer "+V1.2_USB_L01_P872" (solid, pour order 872): 7,93.4 8.7,93.4 9.1,93 12,93 12.1,92.9 12.1,92.5 10.9,91.3 8.8,91.3 8.5,91 7,91
+V1.5_PCIE_1 on Top Layer "+V1.5_PCIE_1_L01_P827" (solid, pour order 827): 108.335,51.195 109,51.195 109,56.6 107.7,56.6 107.7,53.83 108.335,53.195
GND on Top Layer "GND_L01_P587" (solid, pour order 587): 101.9,51.4 101.9,54.1 103,54.1 104.1,53 104.1,51.4
GND on Top Layer "GND_L01_P847" (solid, pour order 847): 38.2,13.1 39.2,12.1 40.8,12.1 40.8,14.6 37.2,14.6 37.2,13.1
GND on Top Layer "GND_L01_P858" (solid, pour order 858): 35,36.7 38.2,36.7 38.2,34.2 35,34.2
+V_SUPPLY_FILT_SW on Top Layer "+V_SUPPLY_FILT_SW_L01_P857" (solid, pour order 857): 34.6,42 34.6,40.1 34.6,37.9 37.5,37.9 37.5,40.1 37.5,42